# Allegro board 8880F5-0826_3.brd (continued)
## Routing (per net, layer and track width the routed paths; a pad name or vN(x,y) marks a point on that pad's centre or on a via; arc(x,y) is an arc through that point) (continued)
D12909: length 219.3
  TOP w0.086: v1(240.73,159.32) 241.18,159.77 241.18,166.65 244.71,170.18 244.71,171.4 244.63,171.48 SITE3.7
  L03_SIGNAL w0.071: v1(198.69,149.21) 198.69,148.8 198.76,148.73 199.83,148.73 200.26,148.3 200.26,147.05 197.21,144 159.41,144 139.1,123.69 139.1,97.02 130.01,87.94 112.33,87.94 109.07,91.19 109.07,94.13 D129.09
  L28_SIGNAL w0.071: v1(198.69,149.21) 198.69,148.8 198.76,148.73 199.29,148.73 210.88,137.14 224.43,137.14 228.44,141.14 228.44,144.84 235.68,152.08 237.22,152.08 241.2,156.07 241.2,159.24 241.13,159.32 v1(240.73,159.32)
D12910: length 187.3
  TOP w0.086: SITE3.6 244.23,171.48 244.15,171.4 244.15,170.57 239.24,165.66 239.24,162.51 v1(239.69,162.06)
  L03_SIGNAL w0.071: D129.10 111.64,101.48 111.64,109.5 155.93,153.8 212.96,153.8 214.42,152.34 214.42,149.14 213.81,148.53 212.35,148.53 212.28,148.46 v1(212.28,148.06)
  L28_SIGNAL w0.071: v1(239.69,162.06) 239.29,162.06 239.22,161.99 239.22,160.65 237.28,158.71 231.08,158.71 226.1,153.74 218.28,153.74 214.84,150.3 214.84,149.38 214,148.53 212.35,148.53 212.28,148.46 v1(212.28,148.06)
D12911: length 218.7
  TOP w0.086: v1(241.88,159.32) 241.42,159.77 241.42,166.55 244.95,170.08 244.95,171.4 245.03,171.48 SITE3.8
  L03_SIGNAL w0.071: v1(198.69,148.06) 198.69,148.46 198.76,148.53 199.75,148.53 200.06,148.22 200.06,147.13 197.13,144.2 159.32,144.2 138.9,123.77 138.9,97.1 129.93,88.13 112.41,88.13 109.27,91.27 109.27,94.03 D129.11
  L28_SIGNAL w0.071: v1(198.69,148.06) 198.69,148.46 198.76,148.53 199.2,148.53 210.8,136.94 224.51,136.94 228.64,141.06 228.64,144.76 235.77,151.89 237.3,151.89 241.4,155.99 241.4,159.24 241.47,159.32 v1(241.88,159.32)
D12912: length 186
  TOP w0.086: SITE3.5 243.83,171.48 243.91,171.4 243.91,170.67 239,165.76 239,162.51 v1(238.55,162.06)
  L03_SIGNAL w0.071: D129.12 111.84,101.52 111.84,109.42 156.01,153.6 212.87,153.6 214.22,152.25 214.22,149.22 213.73,148.73 212.35,148.73 212.28,148.8 v1(212.28,149.21)
  L28_SIGNAL w0.071: v1(238.55,162.06) 238.95,162.06 239.02,161.99 239.02,160.73 237.2,158.91 231,158.91 226.02,153.93 218.2,153.93 214.65,150.38 214.65,149.46 213.92,148.73 212.35,148.73 212.28,148.8 v1(212.28,149.21)
D12913: length 205.4
  TOP w0.086: v1(244.03,162.06) 243.58,162.51 243.58,166.78 245.75,168.95 245.75,171.4 245.83,171.48 SITE3.10
  L03_SIGNAL w0.071: v1(195.26,147.81) 195.26,148.21 195.19,148.28 194.32,148.28 191.9,145.86 156.86,145.86 135.13,124.14 135.13,98.52 127.07,90.46 121.18,90.46 119.24,92.4 119.24,94.12 D129.13
  L28_SIGNAL w0.071: v1(244.03,162.06) 243.63,162.06 243.56,161.99 243.56,152.28 225.95,134.68 209.7,134.68 196.1,148.28 195.33,148.28 195.26,148.21 v1(195.26,147.81)
D12914: length 201.8
  TOP w0.086: SITE3.12 246.63,171.48 246.55,171.4 246.55,167.84 245.57,166.86 245.57,159.77 v1(246.02,159.32)
  L03_SIGNAL w0.071: v1(181.67,147.81) 181.67,148.21 181.75,148.28 182.64,148.28 183.2,148.84 183.2,150.45 182.01,151.64 158.76,151.64 121.81,114.69 121.81,101.49 D129.14
  L28_SIGNAL w0.071: v1(181.67,147.81) 181.67,148.21 181.75,148.28 183.05,148.28 185.51,145.82 194.54,145.82 208.09,132.27 227.17,132.27 231.18,136.27 234.79,136.27 241.16,142.64 241.16,145.54 245.55,149.93 245.55,159.24 245.62,159.32 v1(246.02,159.32)
D12915: length 204.7
  TOP w0.086: SITE3.9 245.43,171.48 245.51,171.4 245.51,169.05 243.34,166.88 243.34,162.51 v1(242.89,162.06)
  L03_SIGNAL w0.071: D129.15 119.44,94.04 119.44,92.48 121.27,90.66 126.99,90.66 134.93,98.6 134.93,124.22 156.78,146.06 191.82,146.06 194.24,148.48 195.19,148.48 195.26,148.55 v1(195.26,148.95)
  L28_SIGNAL w0.071: v1(242.89,162.06) 243.29,162.06 243.36,161.99 243.36,152.37 225.87,134.88 209.78,134.88 196.18,148.48 195.33,148.48 195.26,148.55 v1(195.26,148.95)
D12916: length 200.5
  TOP w0.086: v1(244.88,159.32) 245.33,159.77 245.33,166.96 246.31,167.94 246.31,171.4 246.23,171.48 SITE3.11
  L03_SIGNAL w0.071: D129.16 122.01,101.51 122.01,114.61 158.85,151.45 181.92,151.45 183,150.37 183,148.92 182.55,148.48 181.75,148.48 181.67,148.55 v1(181.67,148.95)
  L28_SIGNAL w0.071: v1(181.67,148.95) 181.67,148.55 181.75,148.48 183.13,148.48 185.59,146.02 194.62,146.02 208.17,132.47 227.09,132.47 231.1,136.47 234.71,136.47 240.96,142.73 240.96,145.62 245.35,150.01 245.35,159.24 245.28,159.32 v1(244.88,159.32)
D13001: length 273.6
  TOP w0.086: SITE3.172 237.68,177.63 237.6,177.71 233.62,177.71 232.68,176.77 231.43,176.77 v1(230.98,176.32)
  L03_SIGNAL w0.071: D130.01 88.83,73.73 88.83,71.11 87.95,70.23 81.9,70.23 73.9,78.23 73.9,113.14 126.2,165.44 128.7,165.44 141.67,178.42 176.09,178.42 178.55,180.88 205.44,180.88 210.86,175.46 212.21,175.46 212.28,175.39 v1(212.28,174.99)
  L28_SIGNAL w0.071: v1(230.98,176.32) 230.98,176.72 231.05,176.79 232.16,176.79 233.03,177.66 233.03,181.75 232.22,182.56 223.53,182.56 222.51,181.54 214.02,181.54 210.48,178 210.48,176.37 211.39,175.46 212.21,175.46 212.28,175.39 v1(212.28,174.99)
D13002: length 275.4
  TOP w0.086: SITE3.176 237.68,176.03 237.6,176.11 236.22,176.11 232.94,172.83 231.43,172.83 v1(230.98,172.38)
  L03_SIGNAL w0.071: D130.02 91.3,81.14 91.3,83.04 90.31,84.04 84.58,84.04 77.13,91.48 77.13,111.44 138.05,172.36 187.94,172.36 193.48,177.9 200.12,177.9 200.54,177.48 200.54,175.98 200.02,175.46 198.76,175.46 198.69,175.39 v1(198.69,174.99)
  L28_SIGNAL w0.071: v1(198.69,174.99) 198.69,175.39 198.62,175.46 196.41,175.46 194.96,176.9 194.96,181.64 197.94,184.61 212.12,184.61 216.52,189.01 222.34,189.01 226.84,184.51 232.41,184.51 233.17,183.75 233.17,182.98 234.61,181.54 234.61,174.55 232.91,172.85 231.05,172.85 230.98,172.78 v1(230.98,172.38)
D13003: length 273.3
  TOP w0.086: v1(230.98,177.46) 231.43,177.01 232.58,177.01 233.52,177.95 237.6,177.95 237.68,178.03 SITE3.171
  L03_SIGNAL w0.071: v1(212.28,176.13) 212.28,175.73 212.21,175.66 210.94,175.66 205.52,181.08 178.47,181.08 176.01,178.62 141.59,178.62 128.62,165.64 126.12,165.64 73.7,113.22 73.7,78.15 81.81,70.04 88.04,70.04 89.02,71.03 89.02,73.78 D130.03
  L28_SIGNAL w0.071: v1(212.28,176.13) 212.28,175.73 212.21,175.66 211.47,175.66 210.68,176.45 210.68,177.92 214.11,181.34 222.59,181.34 223.62,182.36 232.14,182.36 232.84,181.66 232.84,177.74 232.08,176.99 231.05,176.99 230.98,177.06 v1(230.98,177.46)
D13004: length 273.2
  TOP w0.086: SITE3.175 237.68,176.43 237.6,176.35 236.12,176.35 232.84,173.07 231.43,173.07 v1(230.98,173.52)
  L03_SIGNAL w0.071: v1(198.69,176.13) 198.69,175.73 198.76,175.66 199.94,175.66 200.35,176.07 200.35,177.4 200.04,177.7 193.56,177.7 188.02,172.16 138.14,172.16 77.33,111.36 77.33,91.56 84.66,84.24 90.39,84.24 91.5,83.12 91.5,81.22 D130.04
  L28_SIGNAL w0.071: v1(198.69,176.13) 198.69,175.73 198.62,175.66 196.49,175.66 195.16,176.99 195.16,181.55 198.02,184.41 212.2,184.41 216.6,188.81 222.26,188.81 226.76,184.31 232.33,184.31 232.97,183.67 232.97,182.9 234.41,181.46 234.41,174.63 232.83,173.05 231.05,173.05 230.98,173.12 v1(230.98,173.52)
D13013: length 223.3
  TOP w0.086: v1(247.8,162.06) 247.35,162.51 247.35,171.4 247.43,171.48 SITE3.14
  L03_SIGNAL w0.071: D130.13 119.17,73.87 119.17,70.68 121.3,68.55 126.95,68.55 145,86.6 145,120.93 156.16,132.09 174.03,132.09 177.02,135.07 178.43,135.07 178.5,135 v1(178.5,134.6)
  L28_SIGNAL w0.071: v1(178.5,134.6) 178.5,135 178.57,135.07 200.69,135.07 205.96,129.8 234.28,129.8 244.66,140.17 244.66,145.68 248.24,149.26 248.24,151.38 247.33,152.29 247.33,161.99 247.4,162.06 v1(247.8,162.06)
D13014: length 220.2
  TOP w0.086: v1(249.98,159.32) 249.52,159.77 249.52,162.12 248.15,163.49 248.15,171.4 248.23,171.48 SITE3.16
  L03_SIGNAL w0.071: v1(164.91,134.6) 164.91,135 164.98,135.07 165.89,135.07 166.62,135.81 166.62,137.06 166.18,137.5 157.67,137.5 142.18,122.01 142.18,92.7 134.86,85.38 123.46,85.38 121.81,83.73 121.81,81.17 D130.14
  L28_SIGNAL w0.071: v1(164.91,134.6) 164.91,135 164.98,135.07 166.12,135.07 171.67,129.53 195.03,129.53 196.68,127.87 235.2,127.87 247.84,140.52 247.84,147.4 249.5,149.07 249.5,159.24 249.57,159.32 v1(249.98,159.32)
D13015: length 222.8
  TOP w0.086: v1(246.66,162.06) 247.11,162.51 247.11,171.4 247.03,171.48 SITE3.13
  L03_SIGNAL w0.071: v1(178.5,135.74) 178.5,135.34 178.43,135.27 176.93,135.27 173.95,132.29 156.08,132.29 144.8,121.01 144.8,86.68 126.87,68.75 121.38,68.75 119.37,70.76 119.37,73.65 D130.15
  L28_SIGNAL w0.071: v1(246.66,162.06) 247.06,162.06 247.13,161.99 247.13,152.21 248.04,151.3 248.04,149.34 244.46,145.76 244.46,140.26 234.2,130 206.05,130 200.77,135.27 178.57,135.27 178.5,135.34 v1(178.5,135.74)
D13016: length 218.9
  TOP w0.086: v1(248.83,159.32) 249.28,159.77 249.28,162.02 247.91,163.39 247.91,171.4 247.83,171.48 SITE3.15
  L03_SIGNAL w0.071: D130.16 122.01,81.19 122.01,83.65 123.54,85.18 134.95,85.18 142.38,92.61 142.38,121.93 157.75,137.3 166.1,137.3 166.43,136.98 166.43,135.89 165.81,135.27 164.98,135.27 164.91,135.34 v1(164.91,135.74)
  L28_SIGNAL w0.071: v1(164.91,135.74) 164.91,135.34 164.98,135.27 166.2,135.27 171.75,129.72 195.11,129.72 196.77,128.07 235.11,128.07 247.64,140.6 247.64,147.48 249.3,149.15 249.3,159.24 249.23,159.32 v1(248.83,159.32)
D30102: length 192.4
  TOP w0.147: D301.02 312.01,91.03 arc(312.17,91.27) 312.23,91.55 312.23,121.52 arc(312.18,121.76) 312.04,121.97 arc(311.63,122.25) 311.14,122.34 arc(310.63,122.24) 310.2,121.95 arc(310.05,121.72) 309.99,121.45 309.99,97.48 arc(309.9,97.01) 309.63,96.61 arc(309.04,96.22) 308.34,96.08 arc(307.63,96.22) 307.03,96.62 307.03,96.62 arc(306.75,97.03) 306.66,97.52 306.66,125.17 arc(306.74,125.57) 306.96,125.91 307.69,126.63 arc(308.03,126.86) 308.43,126.94 328.08,126.94 arc(328.21,126.97) 328.32,127.04 333.1,131.82 arc(333.18,131.93) 333.2,132.06 333.2,142.3 arc(333.18,142.43) 333.1,142.54 331.36,144.29 arc(331.25,144.36) 331.11,144.39 317.99,144.39 arc(317.71,144.44) 317.47,144.6 316.41,145.66 arc(316.25,145.9) 316.2,146.19 316.2,150.19 arc(316.25,150.47) 316.41,150.71 317.76,152.05 arc(317.99,152.21) 318.28,152.27 329.95,152.27 arc(330.08,152.3) 330.19,152.37 332.13,154.31 arc(332.21,154.42) 332.23,154.55 332.23,171.32 332.23,171.33 SITE4.26
D30104: length 192.4
  TOP w0.147: SITE4.27 332.63,171.33 332.63,171.32 332.63,154.55 arc(332.57,154.27) 332.41,154.03 330.47,152.09 arc(330.23,151.93) 329.95,151.87 318.28,151.87 arc(318.15,151.85) 318.04,151.77 316.69,150.43 arc(316.62,150.32) 316.59,150.19 316.59,146.19 arc(316.62,146.06) 316.69,145.94 317.75,144.88 arc(317.86,144.81) 317.99,144.79 331.11,144.79 arc(331.4,144.73) 331.64,144.57 333.38,142.82 arc(333.54,142.58) 333.6,142.3 333.6,132.06 arc(333.54,131.78) 333.38,131.54 328.6,126.76 arc(328.36,126.6) 328.08,126.54 308.43,126.54 arc(308.18,126.49) 307.97,126.35 307.24,125.63 arc(307.1,125.42) 307.05,125.17 307.05,97.52 arc(307.12,97.18) 307.31,96.9 307.31,96.9 arc(307.78,96.59) 308.34,96.47 arc(308.89,96.58) 309.35,96.89 arc(309.53,97.16) 309.6,97.48 309.6,121.45 arc(309.68,121.88) 309.92,122.23 arc(310.48,122.61) 311.14,122.74 arc(311.78,122.61) 312.32,122.25 arc(312.55,121.92) 312.62,121.52 312.62,91.54 arc(312.68,91.26) 312.84,91.02 D301.04
D30106: length 192.4
  TOP w0.147: D301.06 322.18,91.04 arc(322.34,91.28) 322.4,91.57 322.4,95.07 arc(322.32,95.49) 322.08,95.84 arc(321.73,96.07) 321.32,96.15 316.66,96.15 arc(316.17,96.25) 315.76,96.53 315.75,96.53 arc(315.24,97.31) 315.05,98.22 arc(315.23,99.12) 315.74,99.88 arc(316.14,100.15) 316.62,100.24 321.27,100.24 arc(321.4,100.27) 321.51,100.34 322.3,101.13 arc(322.37,101.24) 322.4,101.37 322.4,122.89 arc(322.46,123.17) 322.62,123.41 323.15,123.95 arc(323.39,124.11) 323.67,124.16 324.64,124.16 arc(324.92,124.11) 325.16,123.95 325.83,123.28 arc(325.99,123.04) 326.05,122.75 326.05,95.92 arc(326.1,95.64) 326.26,95.41 arc(326.69,95.11) 327.21,95.01 327.43,95.01 arc(327.96,95.12) 328.4,95.41 arc(328.56,95.65) 328.61,95.93 328.61,123.08 arc(328.67,123.36) 328.83,123.6 335.73,130.5 arc(335.8,130.61) 335.83,130.74 335.83,145.03 arc(335.8,145.16) 335.73,145.27 334.69,146.31 arc(334.58,146.38) 334.45,146.41 319.65,146.41 arc(319.37,146.46) 319.13,146.62 318.65,147.11 arc(318.49,147.35) 318.43,147.63 318.43,148.81 arc(318.49,149.09) 318.65,149.33 318.99,149.67 arc(319.23,149.83) 319.51,149.89 330.73,149.89 arc(330.86,149.91) 330.97,149.99 334.49,153.51 arc(334.56,153.62) 334.59,153.75 334.59,165.93 arc(334.56,166.06) 334.49,166.17 333.65,167.01 arc(333.49,167.25) 333.43,167.53 333.43,171.32 333.43,171.33 SITE4.29
D30108: length 192.4
  TOP w0.147: D301.08 323.01,91.01 arc(322.85,91.25) 322.8,91.53 322.8,95.07 arc(322.68,95.64) 322.36,96.12 arc(321.88,96.44) 321.32,96.55 316.66,96.55 arc(316.32,96.62) 316.04,96.81 316.03,96.81 arc(315.6,97.46) 315.45,98.22 arc(315.6,98.97) 316.02,99.6 arc(316.3,99.78) 316.62,99.85 321.27,99.85 arc(321.55,99.9) 321.79,100.06 322.58,100.85 arc(322.74,101.09) 322.8,101.37 322.8,122.89 arc(322.82,123.02) 322.9,123.13 323.43,123.67 arc(323.54,123.74) 323.67,123.77 324.64,123.77 arc(324.77,123.74) 324.88,123.67 325.55,123 arc(325.62,122.88) 325.65,122.75 325.65,95.92 arc(325.73,95.49) 325.98,95.13 arc(326.54,94.75) 327.21,94.61 327.44,94.61 arc(328.11,94.75) 328.68,95.13 arc(328.92,95.5) 329.01,95.93 329.01,123.08 arc(329.04,123.21) 329.11,123.32 336.01,130.22 arc(336.17,130.46) 336.22,130.74 336.22,145.03 arc(336.17,145.31) 336.01,145.55 334.97,146.59 arc(334.73,146.75) 334.45,146.8 319.65,146.8 arc(319.52,146.83) 319.41,146.9 318.93,147.39 arc(318.85,147.5) 318.83,147.63 318.83,148.81 arc(318.85,148.94) 318.93,149.05 319.27,149.39 arc(319.38,149.46) 319.51,149.49 330.73,149.49 arc(331.01,149.55) 331.25,149.7 334.77,153.23 arc(334.93,153.47) 334.99,153.75 334.99,165.93 arc(334.93,166.21) 334.77,166.45 333.93,167.29 arc(333.85,167.4) 333.83,167.53 333.83,171.32 333.83,171.33 SITE4.30
D30110: length 192.4
  TOP w0.147: SITE4.32 334.63,171.33 334.63,171.32 334.63,169.65 arc(334.69,169.37) 334.85,169.13 338.31,165.66 arc(338.39,165.55) 338.41,165.42 338.41,161.32 arc(338.45,161.12) 338.57,160.94 343.71,155.8 arc(343.95,155.64) 344.23,155.58 352.97,155.58 arc(353.1,155.56) 353.21,155.48 353.54,155.16 arc(353.61,155.04) 353.64,154.91 353.64,154.22 arc(353.62,154.12) 353.56,154.03 353.28,153.75 arc(353.17,153.68) 353.04,153.65 339.37,153.65 arc(339.09,153.6) 338.85,153.44 338.47,153.06 arc(338.31,152.81) 338.25,152.52 338.25,151.88 arc(338.31,151.59) 338.47,151.34 338.84,150.97 arc(339.08,150.81) 339.36,150.76 346.77,150.76 arc(347.04,150.7) 347.27,150.55 347.27,150.55 arc(347.52,150.17) 347.61,149.73 arc(347.52,149.29) 347.28,148.92 347.23,148.87 arc(347,148.72) 346.73,148.67 340.97,148.67 arc(340.69,148.61) 340.45,148.45 338.39,146.4 arc(338.23,146.16) 338.18,145.87 338.18,95.57 arc(338.12,95.28) 337.95,95.03 arc(337.43,94.68) 336.81,94.56 arc(336.26,94.67) 335.8,94.98 arc(335.67,95.17) 335.62,95.4 335.62,123.36 arc(335.54,123.76) 335.32,124.1 335.31,124.1 arc(334.75,124.48) 334.09,124.61 arc(333.41,124.48) 332.84,124.09 arc(332.6,123.73) 332.52,123.31 332.52,91.52 arc(332.46,91.24) 332.3,91 D301.10
D30112: length 192.4
  TOP w0.147: SITE4.33 335.03,171.33 335.03,171.32 335.03,169.65 arc(335.05,169.52) 335.13,169.41 338.59,165.94 arc(338.75,165.71) 338.81,165.42 338.81,161.32 arc(338.82,161.27) 338.85,161.22 343.99,156.08 arc(344.1,156) 344.23,155.98 352.97,155.98 arc(353.25,155.92) 353.49,155.76 353.82,155.44 arc(353.98,155.2) 354.04,154.91 354.04,154.22 arc(353.99,153.97) 353.84,153.75 353.7,153.61 353.56,153.47 arc(353.32,153.31) 353.04,153.26 339.37,153.26 arc(339.24,153.23) 339.13,153.16 338.76,152.78 arc(338.67,152.66) 338.65,152.52 338.65,151.88 arc(338.67,151.74) 338.76,151.62 339.12,151.25 arc(339.23,151.18) 339.36,151.15 346.77,151.15 arc(347.2,151.07) 347.55,150.83 arc(347.89,150.33) 348.01,149.73 arc(347.89,149.14) 347.56,148.64 347.51,148.59 arc(347.15,148.35) 346.73,148.27 340.97,148.27 arc(340.84,148.24) 340.73,148.17 338.67,146.11 arc(338.6,146) 338.57,145.87 338.57,95.57 arc(338.49,95.13) 338.23,94.75 arc(337.58,94.31) 336.81,94.16 arc(336.11,94.3) 335.52,94.7 arc(335.3,95.02) 335.23,95.4 335.23,123.36 arc(335.18,123.61) 335.03,123.82 arc(334.6,124.11) 334.09,124.21 arc(333.57,124.11) 333.12,123.81 arc(332.97,123.58) 332.91,123.31 332.91,91.57 arc(332.97,91.29) 333.13,91.05 D301.12
D30114: length 192.4
  TOP w0.147: SITE4.35 335.83,171.33 335.83,171.32 335.83,170.95 340.71,166.08 arc(340.78,165.97) 340.81,165.84 340.81,163.51 arc(340.86,163.23) 341.02,162.99 345.97,158.05 arc(346.21,157.89) 346.49,157.83 360.65,157.83 arc(360.78,157.8) 360.89,157.73 361.66,156.96 arc(361.73,156.85) 361.76,156.72 361.76,153.4 arc(361.73,153.27) 361.66,153.15 361.15,152.64 arc(361.04,152.57) 360.91,152.54 357.95,152.54 arc(357.67,152.49) 357.43,152.33 348.72,143.62 arc(348.61,143.55) 348.48,143.52 342.4,143.52 arc(342.12,143.46) 341.88,143.3 341.02,142.44 arc(340.86,142.2) 340.81,141.92 340.81,128.25 arc(340.91,127.74) 341.19,127.31 341.19,127.31 arc(341.62,127.02) 342.13,126.92 348.02,126.92 arc(348.34,126.86) 348.61,126.68 348.61,126.68 arc(348.79,126.41) 348.85,126.09 348.85,94.24 arc(348.83,94.11) 348.75,94 348.75,93.99 348.46,93.71 arc(348.02,93.41) 347.5,93.31 arc(346.99,93.41) 346.55,93.71 346.2,94.05 arc(346.13,94.16) 346.1,94.29 346.1,123.35 arc(346.02,123.79) 345.77,124.15 345.77,124.15 arc(345.18,124.55) 344.49,124.68 344.32,124.68 arc(343.62,124.54) 343.03,124.15 arc(342.77,123.77) 342.69,123.33 342.69,91.53 arc(342.63,91.25) 342.47,91.01 D301.14
D30116: length 192.4
  TOP w0.147: SITE4.36 336.23,171.33 336.23,171.32 336.23,171.12 340.99,166.36 arc(341.15,166.12) 341.2,165.84 341.2,163.51 arc(341.23,163.38) 341.3,163.27 346.25,158.33 arc(346.36,158.25) 346.49,158.23 360.65,158.23 arc(360.93,158.17) 361.17,158.01 361.94,157.24 arc(362.1,157) 362.15,156.72 362.15,153.4 arc(362.1,153.11) 361.94,152.87 361.43,152.36 arc(361.19,152.2) 360.91,152.15 357.95,152.15 arc(357.82,152.12) 357.71,152.05 349.01,143.34 arc(348.77,143.18) 348.48,143.12 342.4,143.12 arc(342.27,143.1) 342.16,143.02 341.3,142.16 arc(341.23,142.05) 341.2,141.92 341.2,128.25 arc(341.27,127.89) 341.47,127.59 341.47,127.59 arc(341.77,127.39) 342.13,127.32 348.02,127.32 arc(348.49,127.23) 348.89,126.96 arc(349.15,126.56) 349.25,126.09 349.25,94.24 arc(349.19,93.95) 349.03,93.71 348.74,93.43 arc(348.17,93.05) 347.5,92.91 arc(346.83,93.05) 346.27,93.43 345.92,93.77 arc(345.76,94.01) 345.71,94.29 345.71,123.35 arc(345.65,123.63) 345.49,123.87 345.49,123.87 arc(345.03,124.18) 344.49,124.29 344.32,124.29 arc(343.77,124.18) 343.31,123.87 343.31,123.87 arc(343.14,123.62) 343.08,123.33 343.08,91.56 arc(343.14,91.28) 343.3,91.04 D301.16
D30502: length 192.4
  TOP w0.147: SITE2.26 332.23,231.33 332.23,231.32 332.23,219.76 arc(332.29,219.48) 332.45,219.24 339.52,212.17 arc(340.09,211.79) 340.76,211.66 355.4,211.66 arc(355.46,211.64) 355.51,211.61 363.26,203.86 arc(363.34,203.74) 363.36,203.61 363.36,157.18 arc(363.42,156.9) 363.58,156.66 370.12,150.11 arc(370.2,150) 370.22,149.87 370.22,134.19 arc(370.28,133.9) 370.44,133.66 385.85,118.25 arc(385.92,118.14) 385.95,118.01 385.95,102.48 arc(386,102.2) 386.16,101.96 386.98,101.14 arc(387.22,100.98) 387.5,100.93 393.91,100.93 arc(394.36,100.84) 394.75,100.58 395.1,100.22 arc(395.74,99.27) 395.96,98.15 395.96,98.15 arc(395.79,97.27) 395.29,96.52 394.59,95.82 arc(394.41,95.7) 394.19,95.66 387.9,95.66 arc(387.62,95.6) 387.38,95.44 386.07,94.13 arc(385.91,93.89) 385.85,93.61 385.85,91.52 arc(385.8,91.24) 385.64,91 D305.02
D30504: length 192.4
  TOP w0.147: SITE2.27 332.63,231.33 332.63,231.32 332.63,219.76 arc(332.65,219.63) 332.73,219.52 339.8,212.45 arc(340.24,212.16) 340.76,212.05 355.4,212.05 arc(355.61,212.01) 355.79,211.89 363.54,204.14 arc(363.7,203.9) 363.76,203.61 363.76,157.18 arc(363.78,157.05) 363.86,156.94 370.4,150.39 arc(370.56,150.16) 370.62,149.87 370.62,134.19 arc(370.64,134.05) 370.72,133.94 386.13,118.53 arc(386.29,118.29) 386.34,118.01 386.34,102.48 arc(386.37,102.35) 386.44,102.24 387.26,101.42 arc(387.37,101.35) 387.5,101.32 393.91,101.32 arc(394.52,101.2) 395.03,100.86 395.38,100.51 arc(396.11,99.43) 396.36,98.15 396.36,98.15 arc(396.15,97.12) 395.57,96.24 394.87,95.54 arc(394.56,95.34) 394.19,95.26 387.9,95.26 arc(387.77,95.24) 387.66,95.16 386.35,93.85 arc(386.28,93.74) 386.25,93.61 386.25,91.57 arc(386.31,91.29) 386.47,91.05 D305.04
D30506: length 192.4
  TOP w0.147: SITE2.29 333.43,231.33 333.43,231.32 333.43,221.42 arc(333.49,221.14) 333.65,220.9 340.55,213.99 arc(340.79,213.83) 341.07,213.78 355.94,213.78 arc(356.07,213.75) 356.18,213.68 365.46,204.4 arc(365.54,204.29) 365.56,204.16 365.56,158.21 arc(365.62,157.93) 365.78,157.69 372.97,150.5 arc(373.04,150.39) 373.07,150.26 373.07,134.17 arc(373.12,133.89) 373.28,133.65 395.84,111.09 arc(395.92,110.98) 395.94,110.85 395.94,103.3 arc(396,103.02) 396.16,102.78 398.21,100.73 arc(398.45,100.57) 398.73,100.52 402.65,100.52 arc(403.24,100.4) 403.74,100.07 arc(404.31,99.21) 404.51,98.2 404.51,97.73 arc(404.38,97.08) 404.01,96.52 403.43,95.95 arc(403.23,95.81) 403,95.77 398.42,95.77 arc(398.14,95.71) 397.9,95.55 396.23,93.88 arc(396.07,93.64) 396.01,93.35 396.01,91.52 arc(395.96,91.24) 395.8,91 D305.06
D30508: length 192.4
  TOP w0.147: SITE2.30 333.83,231.33 333.83,231.32 333.83,221.42 arc(333.85,221.29) 333.93,221.18 340.83,214.27 arc(340.94,214.2) 341.07,214.17 355.94,214.17 arc(356.22,214.12) 356.46,213.96 365.74,204.68 arc(365.9,204.44) 365.96,204.16 365.96,158.21 arc(365.98,158.08) 366.06,157.97 373.25,150.78 arc(373.41,150.54) 373.46,150.26 373.46,134.17 arc(373.49,134.04) 373.56,133.93 396.12,111.37 arc(396.28,111.13) 396.34,110.85 396.34,103.3 arc(396.37,103.17) 396.44,103.06 398.49,101.01 arc(398.6,100.94) 398.73,100.91 402.65,100.91 arc(403.39,100.76) 404.02,100.35 404.02,100.35 arc(404.68,99.36) 404.91,98.2 404.91,97.73 arc(404.75,96.93) 404.29,96.24 403.71,95.67 arc(403.39,95.45) 403,95.37 398.42,95.37 arc(398.29,95.34) 398.18,95.27 396.51,93.6 arc(396.44,93.48) 396.41,93.35 396.41,91.58 arc(396.47,91.29) 396.63,91.05 D305.08
D30510: length 192.4
  TOP w0.147: D305.10 405.97,91.01 arc(406.13,91.25) 406.19,91.53 406.19,94.3 arc(406.25,94.61) 406.42,94.87 407.29,95.74 arc(407.55,95.91) 407.86,95.97 410.79,95.97 arc(411.11,96.04) 411.38,96.22 arc(411.86,96.94) 412.03,97.79 412.03,97.79 arc(411.82,98.82) 411.24,99.69 arc(410.82,99.97) 410.32,100.07 407.7,100.07 arc(407.42,100.12) 407.18,100.28 406.33,101.13 arc(406.17,101.37) 406.12,101.65 406.12,103.38 arc(406.09,103.51) 406.02,103.62 376.2,133.44 arc(376.04,133.68) 375.98,133.97 375.98,151.27 arc(375.95,151.4) 375.88,151.51 368.14,159.26 arc(367.98,159.49) 367.92,159.78 367.92,205.65 arc(367.9,205.78) 367.82,205.89 358.11,215.6 arc(358,215.68) 357.87,215.7 342.53,215.7 arc(342.25,215.76) 342.01,215.92 338.61,219.32 arc(338.45,219.56) 338.4,219.84 338.4,225.54 arc(338.37,225.67) 338.3,225.79 334.85,229.24 arc(334.69,229.47) 334.63,229.76 334.63,231.32 334.63,231.33 SITE2.32
D30512: length 192.4
  TOP w0.147: D305.12 406.8,91.04 arc(406.64,91.28) 406.58,91.56 406.58,94.3 arc(406.61,94.46) 406.71,94.59 407.57,95.46 arc(407.7,95.55) 407.86,95.58 410.79,95.58 arc(411.26,95.67) 411.66,95.94 arc(412.22,96.79) 412.42,97.79 412.42,97.79 arc(412.19,98.97) 411.52,99.97 411.52,99.97 arc(410.97,100.34) 410.32,100.46 407.7,100.46 arc(407.57,100.49) 407.46,100.56 406.61,101.41 arc(406.54,101.52) 406.51,101.65 406.51,103.38 arc(406.46,103.67) 406.3,103.9 376.48,133.72 arc(376.4,133.84) 376.38,133.97 376.38,151.27 arc(376.32,151.56) 376.16,151.79 368.42,159.54 arc(368.35,159.65) 368.32,159.78 368.32,205.65 arc(368.26,205.93) 368.1,206.17 358.39,215.88 arc(358.15,216.04) 357.87,216.1 342.53,216.1 arc(342.4,216.12) 342.29,216.2 338.89,219.6 arc(338.82,219.71) 338.79,219.84 338.79,225.54 arc(338.74,225.83) 338.58,226.07 335.13,229.52 arc(335.05,229.63) 335.03,229.76 335.03,231.32 335.03,231.33 SITE2.33
D30514: length 192.4
  TOP w0.147: D305.14 416.14,91.02 arc(416.3,91.26) 416.36,91.54 416.36,103.65 arc(416.2,104.46) 415.74,105.14 395.38,125.5 arc(394.7,125.95) 393.9,126.11 386.49,126.11 arc(386.21,126.17) 385.97,126.33 379.06,133.24 arc(378.9,133.48) 378.85,133.76 378.85,152.17 arc(378.82,152.3) 378.75,152.41 370.57,160.58 arc(370.41,160.82) 370.36,161.11 370.36,206.58 arc(370.33,206.71) 370.26,206.82 359.55,217.53 arc(359.44,217.61) 359.3,217.63 344.01,217.63 arc(343.73,217.69) 343.49,217.85 340.99,220.35 arc(340.83,220.59) 340.77,220.87 340.77,225.87 arc(340.75,226) 340.67,226.11 335.83,230.95 335.83,231.32 335.83,231.33 SITE2.35
D30516: length 192.4
  TOP w0.147: SITE2.36 336.23,231.33 336.23,231.32 336.23,231.12 340.95,226.39 arc(341.11,226.15) 341.17,225.87 341.17,220.87 arc(341.2,220.74) 341.27,220.63 343.77,218.13 arc(343.88,218.05) 344.01,218.03 359.3,218.03 arc(359.59,217.97) 359.83,217.81 370.54,207.1 arc(370.7,206.86) 370.75,206.58 370.75,161.11 arc(370.78,160.98) 370.85,160.86 379.03,152.69 arc(379.19,152.45) 379.24,152.17 379.24,133.76 arc(379.27,133.63) 379.34,133.52 386.25,126.61 arc(386.36,126.54) 386.49,126.51 393.9,126.51 arc(394.86,126.32) 395.66,125.78 416.03,105.42 arc(416.57,104.61) 416.76,103.65 416.76,91.55 arc(416.81,91.27) 416.97,91.03 D305.16
D31702: length 192.4
  TOP w0.147: SITE3.26 252.23,171.33 252.23,171.32 252.23,154.59 arc(252.21,154.46) 252.13,154.35 250.01,152.23 arc(249.88,152.14) 249.72,152.11 233.3,152.11 arc(233.05,152.06) 232.83,151.91 228.47,147.55 arc(228.31,147.31) 228.26,147.03 228.26,141.47 arc(228.23,141.34) 228.16,141.23 224.1,137.17 arc(223.99,137.1) 223.86,137.07 202.36,137.07 arc(202.08,137.01) 201.84,136.86 192.32,127.33 arc(192.21,127.26) 192.08,127.23 157.34,127.23 arc(157.06,127.18) 156.82,127.02 155.37,125.56 arc(155.21,125.32) 155.15,125.04 155.15,109.59 arc(155.21,109.31) 155.37,109.07 157.29,107.15 arc(157.52,107) 157.81,106.94 163.56,106.94 arc(163.69,106.91) 163.8,106.84 164.81,105.83 arc(164.89,105.72) 164.91,105.59 164.91,104.5 arc(164.89,104.37) 164.81,104.26 163.74,103.19 arc(163.63,103.11) 163.5,103.09 157.16,103.09 arc(156.58,102.97) 156.08,102.64 156.03,102.59 arc(155.13,101.25) 154.82,99.67 arc(155.07,98.39) 155.8,97.31 156.47,96.63 arc(156.71,96.47) 157,96.42 163.78,96.42 arc(163.91,96.39) 164.03,96.32 164.81,95.53 arc(164.89,95.42) 164.91,95.29 164.91,91.56 arc(164.86,91.27) 164.7,91.04 D317.02
D31704: length 192.4
  TOP w0.147: SITE3.27 252.63,171.33 252.63,171.32 252.63,154.59 arc(252.57,154.31) 252.41,154.07 250.29,151.95 arc(250.03,151.77) 249.72,151.71 233.3,151.71 arc(233.2,151.69) 233.11,151.63 228.75,147.27 arc(228.68,147.16) 228.65,147.03 228.65,141.47 arc(228.6,141.18) 228.44,140.95 224.38,136.89 arc(224.14,136.73) 223.86,136.67 202.36,136.67 arc(202.23,136.65) 202.12,136.58 192.6,127.05 arc(192.36,126.89) 192.08,126.83 157.34,126.83 arc(157.21,126.81) 157.1,126.73 155.65,125.28 arc(155.58,125.17) 155.55,125.04 155.55,109.59 arc(155.58,109.46) 155.65,109.35 157.57,107.44 arc(157.68,107.36) 157.81,107.34 163.56,107.34 arc(163.84,107.28) 164.08,107.12 165.09,106.11 arc(165.25,105.87) 165.31,105.59 165.31,104.5 arc(165.25,104.22) 165.09,103.98 164.02,102.91 arc(163.78,102.75) 163.5,102.69 157.16,102.69 arc(156.73,102.61) 156.36,102.36 156.31,102.31 arc(155.5,101.1) 155.22,99.67 arc(155.44,98.54) 156.08,97.59 156.75,96.91 arc(156.86,96.84) 157,96.81 163.78,96.81 arc(164.07,96.76) 164.31,96.6 165.09,95.81 arc(165.25,95.57) 165.31,95.29 165.31,91.54 arc(165.36,91.26) 165.52,91.02 D317.04
D31706: length 192.4
  TOP w0.147: SITE3.29 253.43,171.33 253.43,171.32 253.43,167.46 arc(253.49,167.18) 253.65,166.94 254.62,165.97 arc(254.69,165.86) 254.72,165.73 254.72,153.91 arc(254.69,153.78) 254.62,153.67 250.73,149.78 arc(250.62,149.71) 250.49,149.68 234.4,149.68 arc(234.12,149.63) 233.88,149.47 230.88,146.47 arc(230.72,146.23) 230.67,145.95 230.67,140.34 arc(230.64,140.21) 230.57,140.1 225.29,134.82 arc(225.18,134.75) 225.05,134.72 202.88,134.72 arc(202.6,134.67) 202.36,134.51 193.09,125.24 arc(192.98,125.17) 192.85,125.14 159.57,125.14 arc(159.29,125.08) 159.05,124.93 157.66,123.54 arc(157.5,123.3) 157.45,123.02 157.45,111.6 arc(157.5,111.32) 157.66,111.08 159.28,109.46 arc(159.52,109.3) 159.81,109.24 172.43,109.24 arc(172.56,109.22) 172.67,109.14 174.97,106.84 arc(175.04,106.73) 175.07,106.6 175.07,104.63 arc(175.04,104.5) 174.97,104.39 173.61,103.04 arc(173.5,102.96) 173.37,102.94 170.84,102.94 arc(170.14,102.8) 169.55,102.4 169.41,102.26 arc(168.5,100.07) 169.41,97.88 170.08,97.21 arc(170.32,97.05) 170.6,96.99 173.7,96.99 arc(173.83,96.97) 173.95,96.89 174.97,95.87 arc(175.04,95.76) 175.07,95.63 175.07,91.55 arc(175.01,91.27) 174.85,91.03 D317.06
D31708: length 192.4
  TOP w0.147: SITE3.30 253.83,171.33 253.83,171.32 253.83,167.46 arc(253.85,167.33) 253.93,167.22 254.9,166.25 arc(255.06,166.01) 255.11,165.73 255.11,153.91 arc(255.06,153.63) 254.9,153.39 251.01,149.5 arc(250.77,149.34) 250.49,149.29 234.4,149.29 arc(234.27,149.26) 234.16,149.19 231.16,146.19 arc(231.09,146.08) 231.06,145.95 231.06,140.34 arc(231.01,140.05) 230.85,139.82 225.57,134.54 arc(225.33,134.38) 225.05,134.33 202.88,134.33 arc(202.75,134.3) 202.64,134.23 193.37,124.96 arc(193.13,124.8) 192.85,124.74 159.57,124.74 arc(159.44,124.72) 159.33,124.64 157.94,123.26 arc(157.87,123.15) 157.84,123.02 157.84,111.6 arc(157.87,111.47) 157.94,111.36 159.56,109.74 arc(159.67,109.67) 159.81,109.64 172.43,109.64 arc(172.71,109.58) 172.95,109.42 175.25,107.12 arc(175.41,106.88) 175.46,106.6 175.46,104.63 arc(175.41,104.35) 175.25,104.11 173.89,102.76 arc(173.66,102.6) 173.37,102.54 170.84,102.54 arc(170.29,102.43) 169.83,102.12 169.69,101.98 arc(168.9,100.07) 169.69,98.16 170.36,97.49 arc(170.47,97.41) 170.6,97.39 173.7,97.39 arc(173.99,97.33) 174.23,97.17 175.25,96.15 arc(175.41,95.91) 175.46,95.63 175.46,91.54 arc(175.52,91.26) 175.68,91.02 D317.08
D31710: length 192.4
  TOP w0.147: D317.10 184.98,91 arc(185.14,91.24) 185.2,91.52 185.2,106.54 arc(185.17,106.67) 185.1,106.78 180.38,111.49 arc(180.27,111.57) 180.14,111.59 161,111.59 arc(160.71,111.65) 160.47,111.81 159.94,112.35 arc(159.78,112.59) 159.72,112.87 159.72,121.35 arc(159.78,121.63) 159.94,121.87 160.53,122.46 arc(160.77,122.62) 161.05,122.68 193.81,122.68 arc(193.94,122.71) 194.05,122.78 203.26,131.99 arc(203.5,132.15) 203.78,132.21 226.63,132.21 arc(227.74,132.43) 228.68,133.05 232.15,136.52 arc(232.78,137.46) 233,138.57 233,138.57 233,144.66 arc(233.06,144.94) 233.21,145.18 235.06,147.02 arc(235.3,147.18) 235.58,147.24 251.91,147.24 arc(252.04,147.26) 252.15,147.34 258.03,153.22 arc(258.11,153.33) 258.13,153.46 258.13,166.26 arc(258.11,166.39) 258.03,166.5 254.85,169.69 arc(254.69,169.93) 254.63,170.21 254.63,171.32 254.63,171.33 SITE3.32
D31712: length 192.4
  TOP w0.147: SITE3.33 255.03,171.33 255.03,171.32 255.03,170.21 arc(255.05,170.08) 255.13,169.97 258.31,166.79 arc(258.47,166.55) 258.53,166.26 258.53,153.46 arc(258.47,153.18) 258.31,152.94 252.43,147.06 arc(252.19,146.9) 251.91,146.84 235.58,146.84 arc(235.45,146.82) 235.34,146.74 233.5,144.9 arc(233.42,144.79) 233.4,144.66 233.4,138.57 arc(233.15,137.31) 232.43,136.24 228.96,132.77 arc(227.89,132.06) 226.63,131.81 203.78,131.81 arc(203.65,131.78) 203.54,131.71 194.33,122.5 arc(194.09,122.34) 193.81,122.28 161.05,122.28 arc(160.92,122.26) 160.81,122.18 160.22,121.59 arc(160.14,121.48) 160.12,121.35 160.12,112.87 arc(160.14,112.74) 160.22,112.63 160.75,112.09 arc(160.87,112.01) 161,111.99 180.14,111.99 arc(180.42,111.93) 180.66,111.77 185.38,107.06 arc(185.54,106.82) 185.6,106.54 185.6,91.57 arc(185.65,91.29) 185.81,91.05 D317.12
D31714: length 192.4
  TOP w0.147: D317.14 195.14,91 arc(195.3,91.24) 195.36,91.52 195.36,99.55 arc(195.33,99.68) 195.26,99.79 181.22,113.83 arc(181.11,113.9) 180.98,113.93 164.32,113.93 arc(164.03,113.98) 163.79,114.14 163.21,114.72 arc(163.05,114.96) 163,115.24 163,118.79 arc(163.05,119.07) 163.21,119.31 164.03,120.12 arc(164.27,120.28) 164.55,120.34 195.52,120.34 arc(195.65,120.36) 195.76,120.44 205.36,130.04 arc(205.6,130.2) 205.88,130.25 228.64,130.25 arc(229.73,130.47) 230.66,131.09 234.67,135.09 arc(235.28,136.02) 235.5,137.11 235.5,143.23 arc(235.56,143.51) 235.72,143.75 237.01,145.04 arc(237.25,145.2) 237.53,145.26 253.04,145.26 arc(253.17,145.29) 253.28,145.36 260.49,152.56 arc(260.56,152.67) 260.59,152.8 260.59,165.95 arc(260.56,166.08) 260.49,166.19 255.99,170.69 arc(255.87,170.87) 255.83,171.08 255.83,171.32 255.83,171.33 SITE3.35
D31716: length 192.4
  TOP w0.147: D317.16 195.97,91.05 arc(195.81,91.29) 195.75,91.57 195.75,99.55 arc(195.7,99.83) 195.54,100.07 181.5,114.11 arc(181.26,114.27) 180.98,114.32 164.32,114.32 arc(164.18,114.35) 164.07,114.42 163.49,115 arc(163.42,115.11) 163.39,115.24 163.39,118.79 arc(163.42,118.92) 163.49,119.03 164.31,119.84 arc(164.42,119.92) 164.55,119.94 195.52,119.94 arc(195.8,120) 196.04,120.16 205.64,129.76 arc(205.75,129.83) 205.88,129.85 228.64,129.85 arc(229.88,130.1) 230.94,130.81 234.95,134.81 arc(235.65,135.87) 235.9,137.11 235.9,143.23 arc(235.92,143.36) 236,143.47 237.29,144.76 arc(237.4,144.84) 237.53,144.86 253.04,144.86 arc(253.33,144.92) 253.57,145.08 260.77,152.28 arc(260.93,152.52) 260.98,152.8 260.98,165.95 arc(260.93,166.24) 260.77,166.48 256.27,170.97 arc(256.24,171.02) 256.23,171.08 256.23,171.32 256.23,171.33 SITE3.36
D32102: length 192.4
  TOP w0.147: SITE1.26 252.23,231.33 252.23,231.32 252.23,218.64 arc(252.29,218.35) 252.45,218.11 258.81,211.76 arc(259.04,211.6) 259.33,211.54 281.18,211.54 arc(281.72,211.43) 282.19,211.12 286.16,207.15 arc(286.47,206.69) 286.58,206.14 286.58,147.05 arc(286.55,146.92) 286.48,146.81 238.81,99.14 arc(238.65,98.9) 238.59,98.62 238.59,91.58 arc(238.54,91.3) 238.38,91.06 D321.02
D32104: length 192.4
  TOP w0.147: D321.04 239.2,91 arc(239.04,91.23) 238.99,91.52 238.99,98.62 arc(239.01,98.75) 239.09,98.86 286.76,146.53 arc(286.92,146.77) 286.98,147.05 286.98,206.14 arc(286.84,206.84) 286.44,207.43 282.47,211.4 arc(281.88,211.8) 281.18,211.94 259.33,211.94 arc(259.2,211.96) 259.09,212.04 252.73,218.39 arc(252.65,218.51) 252.63,218.64 252.63,231.32 252.63,231.33 SITE1.27
D32106: length 192.4
  TOP w0.147: SITE1.29 253.43,231.33 253.43,231.32 253.43,221.34 arc(253.49,221.06) 253.65,220.82 260.72,213.75 arc(260.95,213.59) 261.24,213.54 282.95,213.54 arc(283.08,213.51) 283.19,213.44 288.87,207.76 arc(288.94,207.65) 288.97,207.52 288.97,146.11 arc(288.94,145.98) 288.87,145.87 248.9,105.91 arc(248.74,105.67) 248.69,105.39 248.69,104.2 arc(248.74,103.92) 248.9,103.68 251.97,100.62 arc(252.4,99.97) 252.55,99.2 252.55,99.08 arc(252.4,98.31) 251.97,97.66 248.95,94.64 arc(248.79,94.4) 248.74,94.12 248.74,91.56 arc(248.68,91.28) 248.52,91.04 D321.06
D32108: length 192.4
  TOP w0.147: SITE1.30 253.83,231.33 253.83,231.32 253.83,221.34 arc(253.85,221.21) 253.93,221.1 261,214.03 arc(261.11,213.96) 261.24,213.93 282.95,213.93 arc(283.23,213.88) 283.47,213.72 289.15,208.04 arc(289.31,207.8) 289.36,207.52 289.36,146.11 arc(289.31,145.83) 289.15,145.59 249.18,105.63 arc(249.11,105.52) 249.08,105.39 249.08,104.2 arc(249.11,104.07) 249.18,103.96 252.25,100.9 arc(252.77,100.12) 252.95,99.2 252.95,99.08 arc(252.77,98.16) 252.25,97.38 249.23,94.36 arc(249.16,94.25) 249.13,94.12 249.13,91.53 arc(249.19,91.25) 249.35,91.01 D321.08
D32110: length 192.4
  TOP w0.147: SITE1.32 254.63,231.33 254.63,231.32 254.63,229.68 arc(254.69,229.4) 254.85,229.16 258.13,225.88 arc(258.2,225.77) 258.23,225.64 258.23,220.21 arc(258.29,219.93) 258.45,219.69 262.34,215.8 arc(262.58,215.64) 262.86,215.58 285.09,215.58 arc(285.22,215.55) 285.33,215.48 291.24,209.57 arc(291.31,209.46) 291.34,209.33 291.34,144.47 arc(291.31,144.34) 291.24,144.23 259.08,112.07 arc(258.92,111.83) 258.86,111.55 258.86,103.77 arc(258.92,103.49) 259.08,103.25 260.09,102.24 arc(260.33,102.08) 260.61,102.02 261.58,102.02 arc(262.25,101.89) 262.82,101.51 arc(263.2,100.94) 263.34,100.27 263.34,98.31 arc(263.23,97.75) 262.91,97.28 262.84,97.21 arc(262.36,96.89) 261.8,96.78 261.07,96.78 arc(260.79,96.72) 260.55,96.56 259.08,95.09 arc(258.92,94.85) 258.86,94.57 258.86,91.53 arc(258.81,91.25) 258.65,91.01 D321.10
D32112: length 192.4
  TOP w0.147: SITE1.33 255.03,231.33 255.03,231.32 255.03,229.68 arc(255.05,229.55) 255.13,229.44 258.41,226.16 arc(258.57,225.92) 258.63,225.64 258.63,220.21 arc(258.65,220.08) 258.73,219.97 262.62,216.08 arc(262.73,216) 262.86,215.98 285.09,215.98 arc(285.37,215.92) 285.61,215.76 291.52,209.85 arc(291.68,209.61) 291.74,209.33 291.74,144.47 arc(291.68,144.19) 291.52,143.95 259.36,111.79 arc(259.29,111.68) 259.26,111.55 259.26,103.77 arc(259.29,103.64) 259.36,103.53 260.37,102.52 arc(260.48,102.45) 260.61,102.42 261.58,102.42 arc(262.41,102.26) 263.1,101.79 arc(263.57,101.09) 263.73,100.27 263.73,98.31 arc(263.59,97.6) 263.19,97 263.12,96.93 arc(262.51,96.52) 261.8,96.38 261.07,96.38 arc(260.94,96.35) 260.83,96.28 259.36,94.81 arc(259.29,94.7) 259.26,94.57 259.26,91.56 arc(259.32,91.28) 259.48,91.04 D321.12
D32114: length 192.4
  TOP w0.147: SITE1.35 255.83,231.33 255.83,231.32 255.83,231.2 arc(255.88,230.97) 256.01,230.77 260.62,226.16 arc(260.7,226.05) 260.72,225.92 260.72,221.41 arc(260.78,221.13) 260.94,220.89 264.07,217.75 arc(264.31,217.59) 264.6,217.54 286.83,217.54 arc(286.96,217.51) 287.07,217.44 293.83,210.68 arc(293.9,210.57) 293.93,210.44 293.93,144.28 arc(293.9,144.15) 293.83,144.04 269.26,119.47 arc(269.1,119.23) 269.04,118.95 269.04,104.17 arc(269.1,103.89) 269.26,103.65 270.56,102.34 arc(270.8,102.18) 271.08,102.13 273.29,102.13 arc(273.42,102.1) 273.53,102.03 274.2,101.36 arc(274.81,100.45) 275.02,99.37 275.02,98.96 arc(274.81,97.88) 274.2,96.97 273.69,96.47 arc(273.58,96.39) 273.45,96.37 270.69,96.37 arc(270.41,96.31) 270.17,96.15 269.26,95.23 arc(269.1,95) 269.04,94.71 269.04,91.55 arc(268.98,91.26) 268.82,91.02 D321.14
D32116: length 192.4
  TOP w0.147: SITE1.36 256.23,231.33 256.23,231.32 256.23,231.2 arc(256.24,231.12) 256.29,231.06 260.9,226.44 arc(261.06,226.2) 261.12,225.92 261.12,221.41 arc(261.14,221.28) 261.22,221.17 264.35,218.03 arc(264.47,217.96) 264.6,217.93 286.83,217.93 arc(287.11,217.88) 287.35,217.72 294.11,210.96 arc(294.27,210.72) 294.32,210.44 294.32,144.28 arc(294.27,144) 294.11,143.76 269.54,119.19 arc(269.46,119.08) 269.44,118.95 269.44,104.17 arc(269.46,104.04) 269.54,103.93 270.84,102.62 arc(270.95,102.55) 271.08,102.52 273.29,102.52 arc(273.57,102.47) 273.81,102.31 274.48,101.64 arc(275.18,100.6) 275.42,99.37 275.42,98.96 arc(275.18,97.73) 274.48,96.69 273.97,96.18 arc(273.73,96.02) 273.45,95.97 270.69,95.97 arc(270.56,95.94) 270.45,95.87 269.54,94.95 arc(269.46,94.84) 269.44,94.71 269.44,91.55 arc(269.49,91.27) 269.65,91.03 D321.16
Net_652: length 3
  BOTTOM w0.119: 192.47,190.12 194.3,190.12 194.78,190.59 195.26,190.59
Net_653: length 3
  BOTTOM w0.119: 195.26,187.45 194.78,187.45 194.3,187.92 192.47,187.92
S1_1AUX+:
  vias: v1(221.73,229.11)
S1_1AUX-:
  vias: v1(218.45,229.11)
S1_1TX_100DCH001+: length 269.3
  L32_SIGNAL w0.071: v1(178.5,217.02) 178.5,216.62 178.43,216.55 177.29,216.55 172.22,221.63 172.22,249.68 168.41,253.49 165.17,253.49 161.79,256.87 161.79,266.97 164.89,270.07 203.42,270.07 208.3,274.96 208.3,297.89 225.31,314.9 279.11,314.9 287.98,306.03 287.98,294.68 276.76,283.46 276.76,278.79 274.17,276.2 267.92,276.2 267.84,276.27 v1(267.84,277.62)
  BOTTOM w0.119: v1(267.84,277.62) K43.6
S1_1TX_100DCH001-: length 270.6
  L32_SIGNAL w0.071: v1(178.5,215.88) 178.5,216.28 178.43,216.35 177.21,216.35 172.02,221.55 172.02,249.6 168.33,253.29 165.09,253.29 161.59,256.79 161.59,267.05 164.8,270.27 203.33,270.27 208.1,275.04 208.1,297.97 225.23,315.1 279.19,315.1 288.18,306.11 288.18,294.6 276.96,283.38 276.96,278.71 274.25,276 267.92,276 267.84,275.93 v1(267.84,274.58)
  BOTTOM w0.119: v1(267.84,274.58) K43.3
S1_1TX_100DCH002+: length 172.5
  TOP w0.086: v1(277.52,247.66) 277.07,248.11 264.06,248.11 263.98,248.03 SITE1.75
  L28_SIGNAL w0.071: v1(164.91,217.02) 164.91,216.62 164.84,216.55 162.21,216.55 160.5,214.84 160.5,210.74 164.91,206.32 220.83,206.32 224.3,209.8 232.93,209.8 234.78,211.65 247,211.65 262.08,226.73 262.08,245.29 264.92,248.13 277.45,248.13 277.52,248.06 v1(277.52,247.66)
S1_1TX_100DCH002-: length 171.9
  TOP w0.086: SITE1.76 263.98,248.43 264.06,248.35 277.07,248.35 v1(277.52,248.8)
  L28_SIGNAL w0.071: v1(164.91,215.88) 164.91,216.28 164.84,216.35 162.29,216.35 160.7,214.75 160.7,210.82 165,206.52 220.75,206.52 224.22,210 232.84,210 234.7,211.85 246.92,211.85 261.89,226.82 261.89,245.38 264.84,248.33 277.45,248.33 277.52,248.4 v1(277.52,248.8)
S1_1TX_100DCH003+: length 101.5
  TOP w0.086: v1(275.08,250.14) 274.62,250.59 269.94,250.59 269.05,249.71 264.06,249.71 263.98,249.63 SITE1.79
  L32_SIGNAL w0.071: v1(275.08,250.14) 275.08,250.54 275.01,250.61 229.45,250.61 225.64,246.81 225.64,243.29 223.16,240.8 208.57,240.8 206.24,238.47 206.24,234.76 210.73,230.27 211.95,230.27 212.03,230.34 v1(212.03,230.74)
S1_1TX_100DCH003-: length 102.1
  TOP w0.086: v1(275.08,251.28) 274.62,250.83 269.84,250.83 268.95,249.95 264.06,249.95 263.98,250.03 SITE1.80
  L32_SIGNAL w0.071: v1(275.08,251.28) 275.08,250.88 275.01,250.81 229.37,250.81 225.45,246.89 225.45,243.37 223.07,241 208.48,241 206.04,238.55 206.04,234.68 210.65,230.07 211.95,230.07 212.03,230 v1(212.03,229.6)
S1_1TX_100DCH004+: length 194.1
  TOP w0.086: SITE1.81 263.98,250.43 264.06,250.51 267.99,250.51 270.02,252.53 277.07,252.53 v1(277.52,252.08)
  L28_SIGNAL w0.071: v1(198.44,230.74) 198.44,230.34 198.37,230.27 197.72,230.27 197.01,230.97 197.01,236.97 194.96,239.02 164.52,239.02 162.89,240.64 162.89,249.97 174.05,261.13 219.23,261.13 223.39,256.97 225.81,256.97 227.78,255 236.12,255 240.42,250.7 253.46,250.7 255.32,252.55 277.45,252.55 277.52,252.48 v1(277.52,252.08)
S1_1TX_100DCH004-: length 194.8
  TOP w0.086: v1(277.52,253.22) 277.07,252.77 269.92,252.77 267.9,250.75 264.06,250.75 263.98,250.83 SITE1.82
  L28_SIGNAL w0.071: v1(198.44,229.6) 198.44,230 198.37,230.07 197.64,230.07 196.81,230.89 196.81,236.89 194.88,238.82 164.43,238.82 162.7,240.56 162.7,250.05 173.97,261.33 219.31,261.33 223.47,257.17 225.89,257.17 227.86,255.2 236.21,255.2 240.5,250.9 253.38,250.9 255.23,252.75 277.45,252.75 277.52,252.82 v1(277.52,253.22)
S1_1TX_100DCH005+: length 79.9
  TOP w0.086: v1(275.08,253.77) 274.62,254.22 269.53,254.22 266.61,251.31 264.06,251.31 263.98,251.23 SITE1.83
  L32_SIGNAL w0.071: v1(296.56,299.66) 296.97,299.66 297.04,299.58 297.04,298.22 299.11,296.15 299.11,284.85 297.46,283.2 297.46,273.62 290.06,266.21 280.1,266.21 272.75,258.86 272.75,255.15 273.66,254.24 275.01,254.24 275.08,254.17 v1(275.08,253.77)
S1_1TX_100DCH005-: length 79.5
  TOP w0.086: v1(275.08,254.92) 274.62,254.46 269.43,254.46 266.51,251.55 264.06,251.55 263.98,251.63 SITE1.84
  L32_SIGNAL w0.071: v1(297.71,299.66) 297.31,299.66 297.23,299.58 297.23,298.3 299.31,296.23 299.31,284.76 297.66,283.12 297.66,273.53 290.15,266.02 280.18,266.02 272.95,258.78 272.95,255.23 273.74,254.44 275.01,254.44 275.08,254.51 v1(275.08,254.92)
S1_1TX_100DCH006+: length 66.6
  TOP w0.086: v1(277.52,256.03) 277.07,256.49 270.12,256.49 265.74,252.11 264.06,252.11 263.98,252.03 SITE1.85
  L28_SIGNAL w0.071: v1(296.56,286.07) 296.97,286.07 297.04,286.14 297.04,287.54 297.76,288.27 299.07,288.27 299.84,287.5 299.84,273.07 283.28,256.51 277.59,256.51 277.52,256.44 v1(277.52,256.03)
S1_1TX_100DCH006-: length 65.6
  TOP w0.086: SITE1.86 263.98,252.43 264.06,252.35 265.64,252.35 270.02,256.73 277.07,256.73 v1(277.52,257.18)
  L28_SIGNAL w0.071: v1(277.52,257.18) 277.52,256.78 277.59,256.7 283.2,256.7 299.65,273.16 299.65,287.42 298.99,288.07 297.85,288.07 297.23,287.46 297.23,286.14 297.31,286.07 v1(297.71,286.07)
S1_1TX_100DCH007+: length 85.4
  TOP w0.086: SITE1.87 263.98,252.83 264.06,252.91 264.96,252.91 270.67,258.62 274.62,258.62 v1(275.08,258.17)
  L32_SIGNAL w0.071: v1(275.08,258.17) 275.08,258.57 275.15,258.64 285.64,258.64 299.27,272.28 299.27,278.1 308.29,287.12 308.29,302.68 308.73,303.11 309.63,303.11 310.24,302.5 310.24,299.73 310.17,299.66 v1(309.77,299.66)
S1_1TX_100DCH007-: length 85.7
  TOP w0.086: SITE1.88 263.98,253.23 264.06,253.15 264.86,253.15 270.57,258.86 274.62,258.86 v1(275.08,259.31)
  L32_SIGNAL w0.071: v1(310.92,299.66) 310.51,299.66 310.44,299.73 310.44,302.58 309.71,303.31 308.64,303.31 308.09,302.76 308.09,287.21 299.07,278.18 299.07,272.36 285.55,258.84 275.15,258.84 275.08,258.91 v1(275.08,259.31)
S1_2AUX+:
  vias: v1(184.65,132.33) v1(184.65,131.06) v1(220.73,229.11) v1(220.73,227.84)
S1_2AUX-:
  vias: v1(181.11,131.06) v1(182.11,132.33) v1(219.45,229.11) v1(219.45,227.84)
S1_2TX_100DCH001+: length 113
  TOP w0.086: SITE1.89 259.43,257.78 259.35,257.86 259.35,258.44 261.74,260.83 263.95,260.83 265.31,262.18 265.31,265.07 265.87,265.63 265.87,268.15 v1(266.32,268.6)
  L30_SIGNAL w0.071: v1(266.32,268.6) 265.92,268.6 265.85,268.68 265.85,269.65 263.68,271.82 263.68,277.04 265.5,278.86 273.31,278.86 275.16,277.02 275.16,269.55 285.57,259.13 297.16,259.13 307.33,269.3 307.33,278.11 313.17,283.95 313.17,287.29 312.61,287.85 310.94,287.85 310.24,287.16 310.24,286.14 310.17,286.07 v1(309.77,286.07)
S1_2TX_100DCH001-: length 112.3
  TOP w0.086: v1(265.18,268.6) 265.63,268.15 265.63,265.73 265.07,265.17 265.07,262.28 263.85,261.07 261.64,261.07 259.11,258.53 259.11,257.86 259.03,257.78 SITE1.90
  L30_SIGNAL w0.071: v1(265.18,268.6) 265.58,268.6 265.65,268.68 265.65,269.57 263.48,271.74 263.48,277.12 265.42,279.06 273.4,279.06 275.35,277.1 275.35,269.63 285.65,259.33 297.08,259.33 307.13,269.38 307.13,278.19 312.97,284.03 312.97,287.21 312.53,287.65 311.02,287.65 310.44,287.07 310.44,286.14 310.51,286.07 v1(310.92,286.07)
S1_2TX_100DCH002+: length 134.7
  TOP w0.086: v1(264.67,266.34) 264.22,265.88 264.22,262.77 263.16,261.72 261.27,261.72 258.55,259 258.55,257.86 258.63,257.78 SITE1.91
  L32_SIGNAL w0.071: v1(264.67,266.34) 264.27,266.34 264.2,266.41 264.2,269.62 264.64,270.07 275.48,270.07 286.82,281.4 288.46,281.4 294.15,287.09 294.15,299.91 299.39,305.15 327.46,305.15 334.25,298.37 339.63,298.37 345.2,303.93 348.37,303.93 350.38,301.93 350.38,299.73 350.31,299.66 v1(349.9,299.66)
S1_2TX_100DCH002-: length 135.3
  TOP w0.086: SITE1.92 258.23,257.78 258.31,257.86 258.31,259.1 261.17,261.96 263.07,261.96 263.98,262.87 263.98,265.88 v1(263.52,266.34)
  L32_SIGNAL w0.071: v1(263.52,266.34) 263.93,266.34 264,266.41 264,269.71 264.56,270.27 275.4,270.27 286.74,281.6 288.38,281.6 293.95,287.17 293.95,300 299.3,305.35 327.54,305.35 334.33,298.56 339.55,298.56 345.12,304.13 348.45,304.13 350.57,302.01 350.57,299.73 350.65,299.66 v1(351.05,299.66)
S1_2TX_100DCH003+: length 163
  TOP w0.086: v1(263.07,268.6) 262.61,268.15 262.61,264.3 257.75,259.44 257.75,257.86 257.83,257.78 SITE1.93
  L30_SIGNAL w0.071: v1(349.9,286.07) 350.31,286.07 350.38,286.14 350.38,287.03 349.51,287.9 347.5,287.9 341.7,282.1 316.59,282.1 314.54,284.15 314.54,289.91 312.93,291.53 309.81,291.53 308.17,289.88 308.17,284.15 303.5,279.48 303.5,267.6 296.37,260.47 285.78,260.47 276.1,270.15 276.1,279.59 274.69,280.99 264.31,280.99 262.59,279.28 262.59,268.68 262.66,268.6 v1(263.07,268.6)
S1_2TX_100DCH003-: length 163.6
  TOP w0.086: v1(261.92,268.6) 262.37,268.15 262.37,264.4 257.51,259.54 257.51,257.86 257.43,257.78 SITE1.94
  L30_SIGNAL w0.071: v1(261.92,268.6) 262.32,268.6 262.39,268.68 262.39,279.36 264.23,281.19 274.77,281.19 276.3,279.67 276.3,270.23 285.86,260.67 296.29,260.67 303.3,267.68 303.3,279.56 307.97,284.23 307.97,289.96 309.73,291.72 313.01,291.72 314.74,290 314.74,284.23 316.67,282.29 341.62,282.29 347.42,288.1 349.59,288.1 350.57,287.11 350.57,286.14 350.65,286.07 v1(351.05,286.07)
S1_2TX_100DCH004+: length 117.8
  TOP w0.086: v1(261.36,267.09) 260.9,266.64 260.9,263.67 256.95,259.72 256.95,257.86 257.03,257.78 SITE1.95
  L32_SIGNAL w0.071: v1(336.44,299.66) 336.84,299.66 336.91,299.73 336.91,301.97 332.04,306.84 297.88,306.84 292.1,301.06 292.1,294.74 287.87,290.52 287.87,287.09 275.4,274.61 272.7,274.61 269.04,270.96 261.98,270.96 260.88,269.86 260.88,267.16 260.96,267.09 v1(261.36,267.09)
S1_2TX_100DCH004-: length 118.5
  TOP w0.086: v1(260.21,267.09) 260.67,266.64 260.67,263.77 256.71,259.82 256.71,257.86 256.63,257.78 SITE1.96
  L32_SIGNAL w0.071: v1(337.59,299.66) 337.18,299.66 337.11,299.73 337.11,302.05 332.12,307.04 297.8,307.04 291.9,301.15 291.9,294.83 287.67,290.6 287.67,287.17 275.32,274.81 272.62,274.81 268.96,271.16 261.9,271.16 260.69,269.94 260.69,267.16 260.62,267.09 v1(260.21,267.09)
S1_2TX_100DCH005+: length 155.3
  TOP w0.086: SITE1.98 255.83,257.78 255.75,257.86 255.75,261.37 258.54,264.15 258.54,268.38 v1(258.99,268.83)
  L30_SIGNAL w0.071: v1(336.44,286.07) 336.84,286.07 336.91,286.14 336.91,287.8 336.49,288.23 334.65,288.23 330.14,283.72 322.6,283.72 320.48,285.84 320.48,293.33 318.8,295.01 308.81,295.01 306.89,293.09 306.89,285.16 300.34,278.62 300.34,268.32 293.73,261.71 285.72,261.71 277.2,270.24 277.2,280.49 275.49,282.19 264.04,282.19 258.52,276.67 258.52,268.9 258.59,268.83 v1(258.99,268.83)
S1_2TX_100DCH005-: length 155.9
  TOP w0.086: SITE1.99 255.43,257.78 255.51,257.86 255.51,261.47 258.3,264.25 258.3,268.38 v1(257.84,268.83)
  L30_SIGNAL w0.071: v1(257.84,268.83) 258.25,268.83 258.32,268.9 258.32,276.75 263.96,282.39 275.57,282.39 277.4,280.57 277.4,270.32 285.81,261.91 293.65,261.91 300.14,268.4 300.14,278.7 306.69,285.25 306.69,293.17 308.73,295.21 318.88,295.21 320.68,293.42 320.68,285.92 322.69,283.92 330.06,283.92 334.57,288.42 336.57,288.42 337.11,287.88 337.11,286.14 337.18,286.07 v1(337.59,286.07)
S1_2TX_100DCH006+: length 140.8
  TOP w0.086: SITE1.100 255.03,257.78 254.95,257.86 254.95,261.59 257.04,263.68 257.04,268.51 256.65,268.9 256.65,269.99 v1(257.1,270.44)
  L30_SIGNAL w0.071: v1(257.1,270.44) 256.7,270.44 256.63,270.51 256.63,276.04 263.81,283.23 276.06,283.23 278.36,280.93 278.36,270.64 284.53,264.47 293.02,264.47 299.42,270.88 299.42,280.69 305.05,286.32 305.05,301.21 308.31,304.46 322.31,304.46 323.45,303.31 323.45,299.73 323.38,299.66 v1(322.98,299.66)
S1_2TX_100DCH006-: length 141.4
  TOP w0.086: SITE1.101 254.63,257.78 254.71,257.86 254.71,261.69 256.8,263.78 256.8,268.41 256.41,268.8 256.41,269.99 v1(255.96,270.44)
  L30_SIGNAL w0.071: v1(255.96,270.44) 256.36,270.44 256.43,270.51 256.43,276.12 263.73,283.43 276.14,283.43 278.56,281.01 278.56,270.73 284.61,264.67 292.94,264.67 299.22,270.96 299.22,280.77 304.86,286.4 304.86,301.29 308.22,304.66 322.39,304.66 323.65,303.4 323.65,299.73 323.72,299.66 v1(324.12,299.66)
